# Altium PCB IDC_MCX_Adapter.PCBDOC (part 2 of 2) (continued)
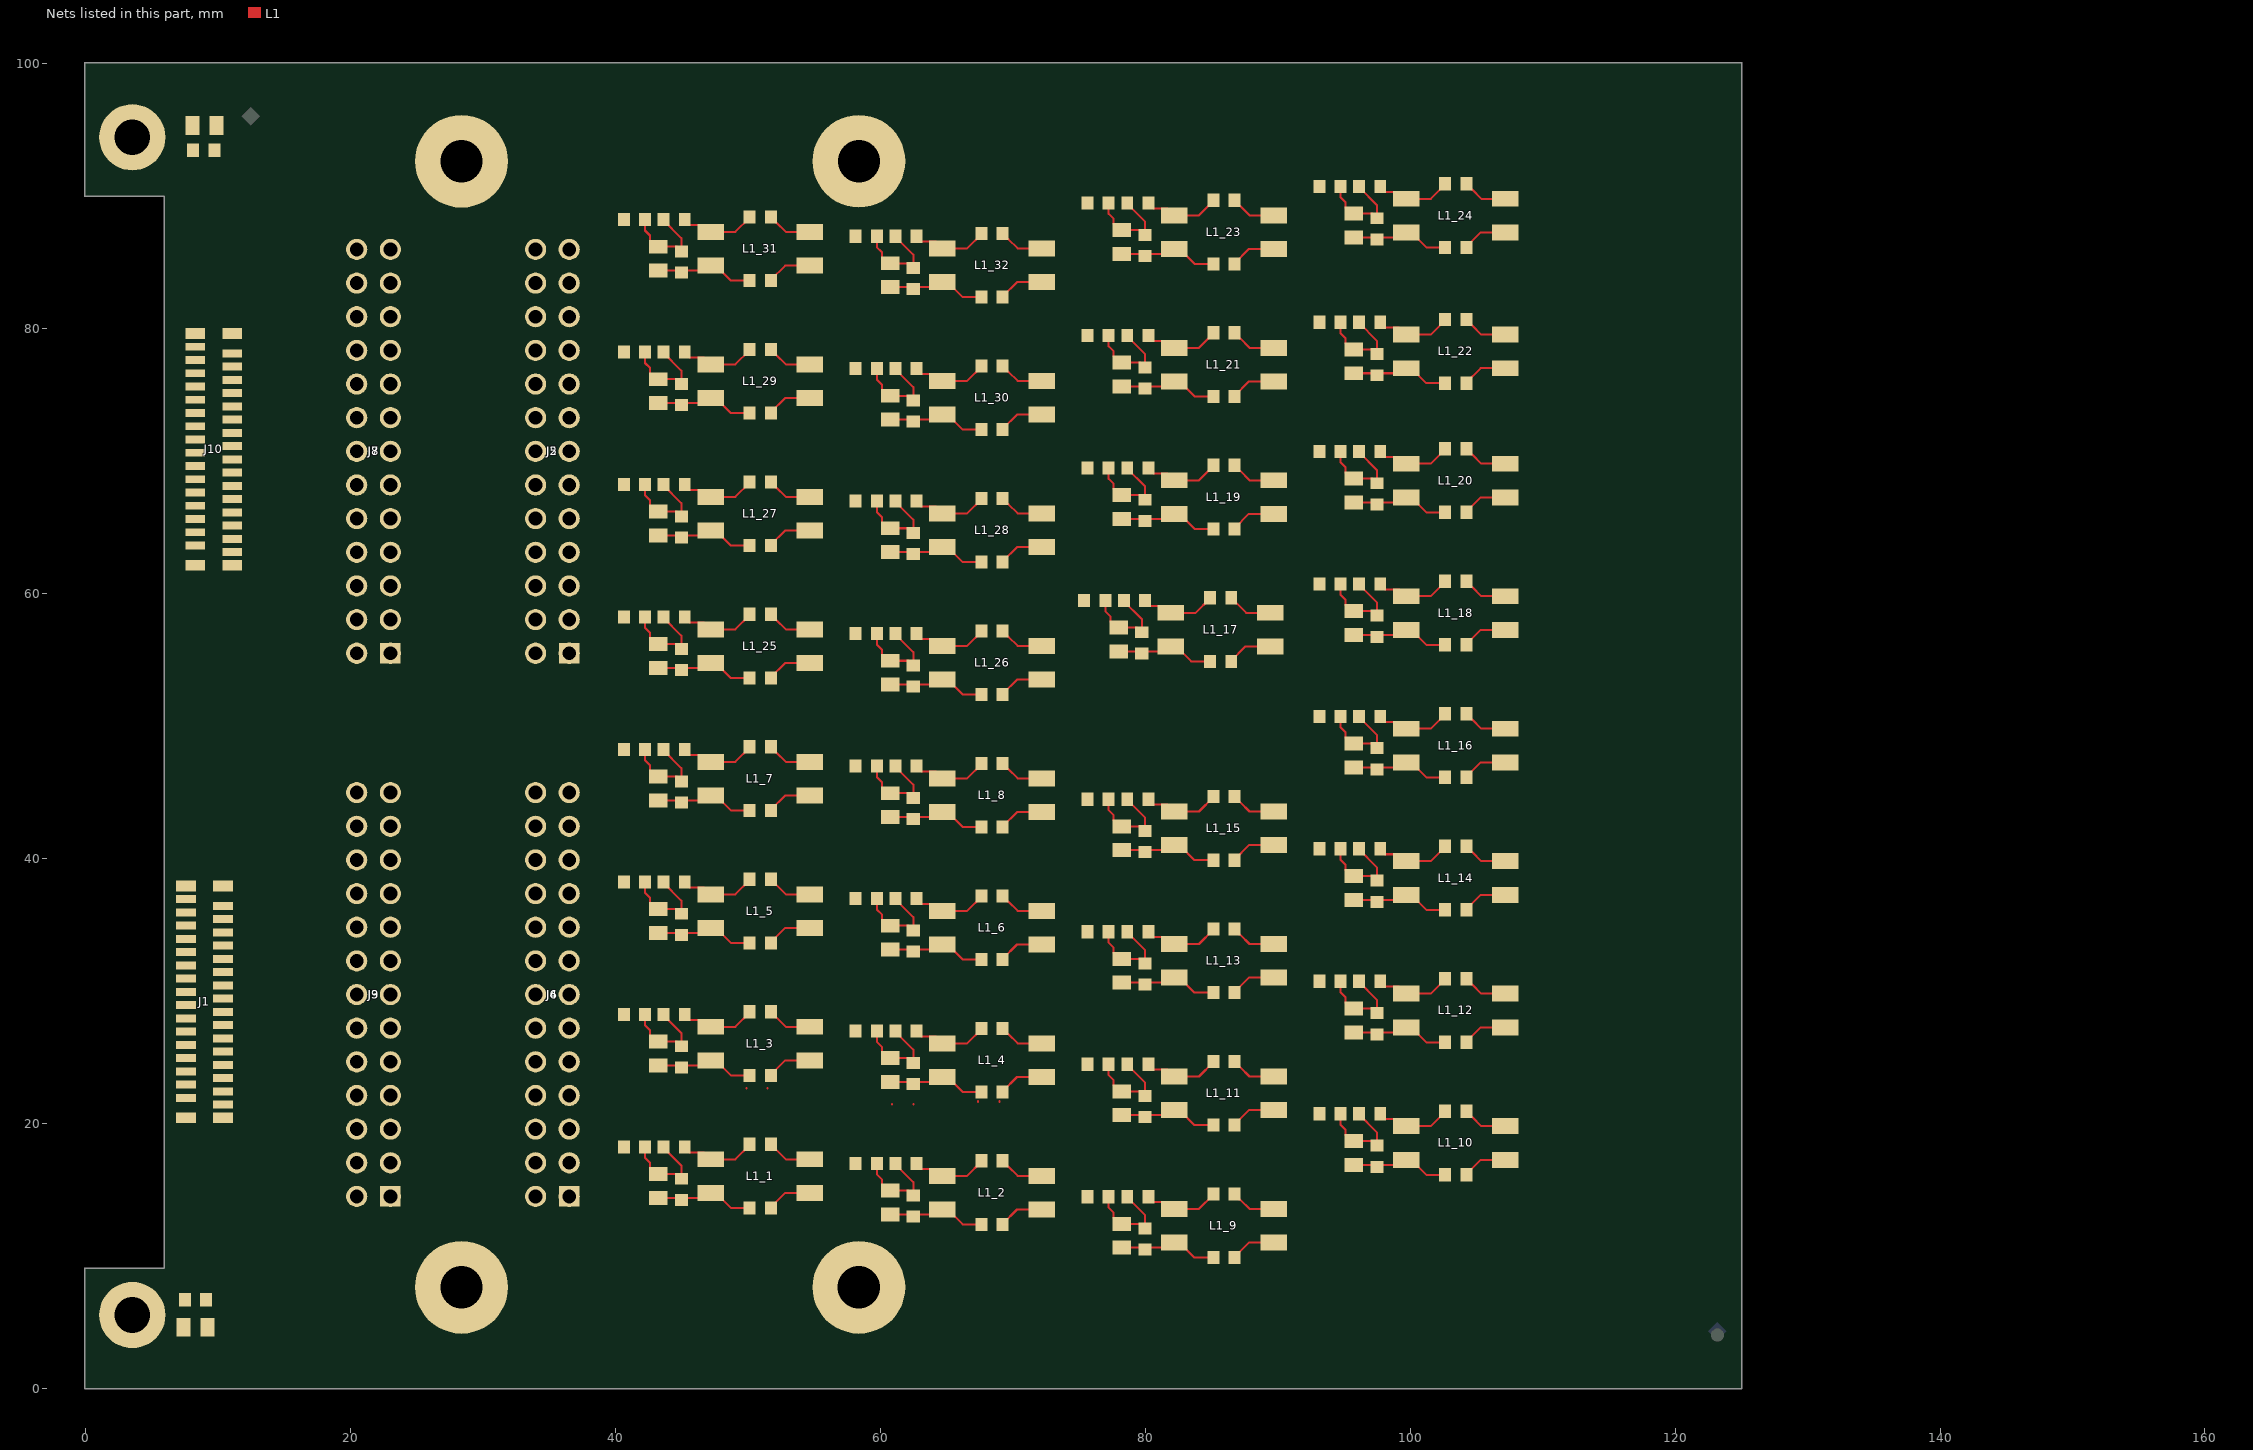
[diagram p3: the nets of this part, all layers, seen from the top]
## Nets (pads, with @x,y where several pads share a name; then routed paths per layer and width w, separated by ;. In a path a pad name is that pad's centre, name@x,y a point inside that pad or via, vN(x,y) a via of type N, cw(c..) or ccw(c..) an arc to the next point about the centre after c; other vN are vias at no path point) (continued)
N13V0_SCSI: J2.26 J3.26 J4.26 J5.26 J6.26 J7.26 J8.26 J9.26
NetB1_1: B1.1 C11.1 R17.2
NetB7_1: B7.1 C15.1 R23.2
NetC1_1_2: C1_1.2 R2_1.1 R3_1.2 R4_1.2 | length 7.4
  L1 w0.152: R3_1.2@42.25,18.2 42.25,17.376 42.626,16.999 42.626,16.599 43.075,16.15 C1_1.2@43.25,16.15 44.65,16.15 R4_1.2@45,15.8 45,16.8 43.65,18.15 R2_1.1@43.65,18.2
NetC1_2_2: C1_2.2 R2_2.1 R3_2.2 R4_2.2 | length 7.4
  L1 w0.152: R3_2.2@59.75,16.95 59.75,16.126 60.126,15.749 60.126,15.349 60.575,14.9 C1_2.2@60.75,14.9 62.15,14.9 R4_2.2@62.5,14.55 62.5,15.55 61.15,16.9 R2_2.1@61.15,16.95
NetC1_3_2: C1_3.2 R2_3.1 R3_3.2 R4_3.2 | length 7.4
  L1 w0.152: R3_3.2@42.25,28.2 42.25,27.376 42.626,26.999 42.626,26.599 43.075,26.15 C1_3.2@43.25,26.15 44.65,26.15 R4_3.2@45,25.8 45,26.8 R2_3.1@43.65,28.15 ; 60.9,21.4 60.9,21.45
NetC1_4_2: C1_4.2 R2_4.1 R3_4.2 R4_4.2 | length 7.4
  L1 w0.152: R3_4.2@59.75,26.95 59.75,26.126 60.126,25.749 60.126,25.349 60.575,24.9 C1_4.2@60.75,24.9 62.15,24.9 R4_4.2@62.5,24.55 62.5,25.55 61.15,26.9 R2_4.1@61.15,26.95
NetC1_5_2: C1_5.2 R2_5.1 R3_5.2 R4_5.2 | length 7.4
  L1 w0.152: R3_5.2@42.25,38.2 42.25,37.376 42.626,36.999 42.626,36.599 43.075,36.15 C1_5.2@43.25,36.15 44.65,36.15 R4_5.2@45,35.8 45,36.8 43.65,38.15 R2_5.1@43.65,38.2
NetC1_6_2: C1_6.2 R2_6.1 R3_6.2 R4_6.2 | length 7.4
  L1 w0.152: R3_6.2@59.75,36.95 59.75,36.126 60.126,35.749 60.126,35.349 60.575,34.9 C1_6.2@60.75,34.9 62.15,34.9 R4_6.2@62.5,34.55 62.5,35.55 61.15,36.9 R2_6.1@61.15,36.95
NetC1_7_2: C1_7.2 R2_7.1 R3_7.2 R4_7.2 | length 7.4
  L1 w0.152: R3_7.2@42.25,48.2 42.25,47.376 42.626,46.999 42.626,46.599 43.075,46.15 C1_7.2@43.25,46.15 44.65,46.15 R4_7.2@45,45.8 45,46.8 43.65,48.15 R2_7.1@43.65,48.2
NetC1_8_2: C1_8.2 R2_8.1 R3_8.2 R4_8.2 | length 7.4
  L1 w0.152: R3_8.2@59.75,46.95 59.75,46.126 60.126,45.749 60.126,45.349 60.575,44.9 C1_8.2@60.75,44.9 62.15,44.9 R4_8.2@62.5,44.55 62.5,45.55 61.15,46.9 R2_8.1@61.15,46.95
NetC1_9_2: C1_9.2 R2_9.1 R3_9.2 R4_9.2 | length 7.4
  L1 w0.152: R3_9.2@77.25,14.45 77.25,13.626 77.626,13.249 77.626,12.849 78.075,12.4 C1_9.2@78.25,12.4 79.65,12.4 R4_9.2@80,12.05 80,13.05 78.65,14.4 R2_9.1@78.65,14.45
NetC1_10_2: C1_10.2 R2_10.1 R3_10.2 R4_10.2 | length 7.4
  L1 w0.152: R3_10.2@94.75,20.7 94.75,19.876 95.126,19.499 95.126,19.099 95.575,18.65 C1_10.2@95.75,18.65 97.15,18.65 R4_10.2@97.5,18.3 97.5,19.3 96.15,20.65 R2_10.1@96.15,20.7
NetC1_11_2: C1_11.2 R2_11.1 R3_11.2 R4_11.2 | length 7.4
  L1 w0.152: R3_11.2@77.25,24.45 77.25,23.626 77.626,23.249 77.626,22.849 78.075,22.4 C1_11.2@78.25,22.4 79.65,22.4 R4_11.2@80,22.05 80,23.05 78.65,24.4 R2_11.1@78.65,24.45
NetC1_12_2: C1_12.2 R2_12.1 R3_12.2 R4_12.2 | length 7.4
  L1 w0.152: R3_12.2@94.75,30.7 94.75,29.876 95.126,29.499 95.126,29.099 95.575,28.65 C1_12.2@95.75,28.65 97.15,28.65 R4_12.2@97.5,28.3 97.5,29.3 96.15,30.65 R2_12.1@96.15,30.7
NetC1_13_2: C1_13.2 R2_13.1 R3_13.2 R4_13.2 | length 7.4
  L1 w0.152: R3_13.2@77.25,34.45 77.25,33.626 77.626,33.249 77.626,32.849 78.075,32.4 C1_13.2@78.25,32.4 79.65,32.4 R4_13.2@80,32.05 80,33.05 78.65,34.4 R2_13.1@78.65,34.45
NetC1_14_2: C1_14.2 R2_14.1 R3_14.2 R4_14.2 | length 7.4
  L1 w0.152: R3_14.2@94.75,40.7 94.75,39.876 95.126,39.499 95.126,39.099 95.575,38.65 C1_14.2@95.75,38.65 97.15,38.65 R4_14.2@97.5,38.3 97.5,39.3 96.15,40.65 R2_14.1@96.15,40.7
NetC1_15_2: C1_15.2 R2_15.1 R3_15.2 R4_15.2 | length 7.4
  L1 w0.152: R3_15.2@77.25,44.45 77.25,43.626 77.626,43.249 77.626,42.849 78.075,42.4 C1_15.2@78.25,42.4 79.65,42.4 R4_15.2@80,42.05 80,43.05 78.65,44.4 R2_15.1@78.65,44.45
NetC1_16_2: C1_16.2 R2_16.1 R3_16.2 R4_16.2 | length 7.4
  L1 w0.152: R3_16.2@94.75,50.7 94.75,49.876 95.126,49.499 95.126,49.099 95.575,48.65 C1_16.2@95.75,48.65 97.15,48.65 R4_16.2@97.5,48.3 97.5,49.3 96.15,50.65 R2_16.1@96.15,50.7
NetC1_17_2: C1_17.2 R2_17.1 R3_17.2 R4_17.2 | length 7.4
  L1 w0.152: R3_17.2@77,59.45 77,58.626 77.376,58.249 77.376,57.849 77.825,57.4 C1_17.2@78,57.4 79.4,57.4 R4_17.2@79.75,57.05 79.75,58.05 78.4,59.4 R2_17.1@78.4,59.45
NetC1_18_2: C1_18.2 R2_18.1 R3_18.2 R4_18.2 | length 7.4
  L1 w0.152: R3_18.2@94.75,60.7 94.75,59.876 95.126,59.499 95.126,59.099 95.575,58.65 C1_18.2@95.75,58.65 97.15,58.65 R4_18.2@97.5,58.3 97.5,59.3 96.15,60.65 R2_18.1@96.15,60.7
NetC1_19_2: C1_19.2 R2_19.1 R3_19.2 R4_19.2 | length 7.4
  L1 w0.152: R3_19.2@77.25,69.45 77.25,68.626 77.626,68.249 77.626,67.849 78.075,67.4 C1_19.2@78.25,67.4 79.65,67.4 R4_19.2@80,67.05 80,68.05 78.65,69.4 R2_19.1@78.65,69.45
NetC1_20_2: C1_20.2 R2_20.1 R3_20.2 R4_20.2 | length 7.4
  L1 w0.152: R3_20.2@94.75,70.7 94.75,69.876 95.126,69.499 95.126,69.099 95.575,68.65 C1_20.2@95.75,68.65 97.15,68.65 R4_20.2@97.5,68.3 97.5,69.3 96.15,70.65 R2_20.1@96.15,70.7
NetC1_21_2: C1_21.2 R2_21.1 R3_21.2 R4_21.2 | length 7.4
  L1 w0.152: R3_21.2@77.25,79.45 77.25,78.626 77.626,78.249 77.626,77.849 78.075,77.4 C1_21.2@78.25,77.4 79.65,77.4 R4_21.2@80,77.05 80,78.05 78.65,79.4 R2_21.1@78.65,79.45
NetC1_22_2: C1_22.2 R2_22.1 R3_22.2 R4_22.2 | length 7.4
  L1 w0.152: R3_22.2@94.75,80.45 94.75,79.626 95.126,79.249 95.126,78.849 95.575,78.4 C1_22.2@95.75,78.4 97.15,78.4 R4_22.2@97.5,78.05 97.5,79.05 96.15,80.4 R2_22.1@96.15,80.45
NetC1_23_2: C1_23.2 R2_23.1 R3_23.2 R4_23.2 | length 7.4
  L1 w0.152: R3_23.2@77.25,89.45 77.25,88.626 77.626,88.249 77.626,87.849 78.075,87.4 C1_23.2@78.25,87.4 79.65,87.4 R4_23.2@80,87.05 80,88.05 78.65,89.4 R2_23.1@78.65,89.45
NetC1_24_2: C1_24.2 R2_24.1 R3_24.2 R4_24.2 | length 7.4
  L1 w0.152: R3_24.2@94.75,90.7 94.75,89.876 95.126,89.499 95.126,89.099 95.575,88.65 C1_24.2@95.75,88.65 97.15,88.65 R4_24.2@97.5,88.3 97.5,89.3 96.15,90.65 R2_24.1@96.15,90.7
NetC1_25_2: C1_25.2 R2_25.1 R3_25.2 R4_25.2 | length 7.4
  L1 w0.152: R3_25.2@42.25,58.2 42.25,57.376 42.626,56.999 42.626,56.599 43.075,56.15 C1_25.2@43.25,56.15 44.65,56.15 R4_25.2@45,55.8 45,56.8 43.65,58.15 R2_25.1@43.65,58.2
NetC1_26_2: C1_26.2 R2_26.1 R3_26.2 R4_26.2 | length 7.4
  L1 w0.152: R3_26.2@59.75,56.95 59.75,56.126 60.126,55.749 60.126,55.349 60.575,54.9 C1_26.2@60.75,54.9 62.15,54.9 R4_26.2@62.5,54.55 62.5,55.55 61.15,56.9 R2_26.1@61.15,56.95
NetC1_27_2: C1_27.2 R2_27.1 R3_27.2 R4_27.2 | length 7.4
  L1 w0.152: R3_27.2@42.25,68.2 42.25,67.376 42.626,66.999 42.626,66.599 43.075,66.15 C1_27.2@43.25,66.15 44.65,66.15 R4_27.2@45,65.8 45,66.8 43.65,68.15 R2_27.1@43.65,68.2
NetC1_28_2: C1_28.2 R2_28.1 R3_28.2 R4_28.2 | length 7.4
  L1 w0.152: R3_28.2@59.75,66.95 59.75,66.126 60.126,65.749 60.126,65.349 60.575,64.9 C1_28.2@60.75,64.9 62.15,64.9 R4_28.2@62.5,64.55 62.5,65.55 61.15,66.9 R2_28.1@61.15,66.95
NetC1_29_2: C1_29.2 R2_29.1 R3_29.2 R4_29.2 | length 7.4
  L1 w0.152: R3_29.2@42.25,78.2 42.25,77.376 42.626,76.999 42.626,76.599 43.075,76.15 C1_29.2@43.25,76.15 44.65,76.15 R4_29.2@45,75.8 45,76.8 43.65,78.15 R2_29.1@43.65,78.2
NetC1_30_2: C1_30.2 R2_30.1 R3_30.2 R4_30.2 | length 7.4
  L1 w0.152: R3_30.2@59.75,76.95 59.75,76.126 60.126,75.749 60.126,75.349 60.575,74.9 C1_30.2@60.75,74.9 62.15,74.9 R4_30.2@62.5,74.55 62.5,75.55 61.15,76.9 R2_30.1@61.15,76.95
NetC1_31_2: C1_31.2 R2_31.1 R3_31.2 R4_31.2 | length 7.4
  L1 w0.152: R3_31.2@42.25,88.2 42.25,87.376 42.626,86.999 42.626,86.599 43.075,86.15 C1_31.2@43.25,86.15 44.65,86.15 R4_31.2@45,85.8 45,86.8 43.65,88.15 R2_31.1@43.65,88.2
NetC1_32_2: C1_32.2 R2_32.1 R3_32.2 R4_32.2 | length 7.4
  L1 w0.152: R3_32.2@59.75,86.95 59.75,86.126 60.126,85.749 60.126,85.349 60.575,84.9 C1_32.2@60.75,84.9 62.15,84.9 R4_32.2@62.5,84.55 62.5,85.55 61.15,86.9 R2_32.1@61.15,86.95
NetL1_1_1: L1_1.1 R1_1.1 R2_1.2 | length 5.8
  L1 w0.152: R2_1.2@45.25,18.2 45.25,18.168 45.624,17.794 46.676,17.794 L1_1.1@47.2,17.27 49.07,17.27 R1_1.1@50.15,18.35 ; 49.9,22.6 49.9,22.65
NetL1_2_1: L1_2.1 R1_2.1 R2_2.2 | length 5.8
  L1 w0.152: R2_2.2@62.75,16.95 62.75,16.918 63.124,16.544 64.176,16.544 L1_2.1@64.7,16.02 66.57,16.02 67.65,17.1 R1_2.1@67.65,17.15
NetL1_3_1: L1_3.1 R1_3.1 R2_3.2 | length 5.8
  L1 w0.152: R2_3.2@45.25,28.168 45.624,27.794 46.676,27.794 L1_3.1@47.2,27.27 49.07,27.27 R1_3.1@50.15,28.35 ; 62.5,21.418 62.5,21.45 ; 67.4,21.6 67.4,21.65
NetL1_4_1: L1_4.1 R1_4.1 R2_4.2 | length 5.8
  L1 w0.152: R2_4.2@62.75,26.95 62.75,26.918 63.124,26.544 64.176,26.544 L1_4.1@64.7,26.02 66.57,26.02 67.65,27.1 R1_4.1@67.65,27.15
NetL1_5_1: L1_5.1 R1_5.1 R2_5.2 | length 5.8
  L1 w0.152: R2_5.2@45.25,38.2 45.25,38.168 45.624,37.794 46.676,37.794 L1_5.1@47.2,37.27 49.07,37.27 50.15,38.35 R1_5.1@50.15,38.4
NetL1_6_1: L1_6.1 R1_6.1 R2_6.2 | length 5.8
  L1 w0.152: R2_6.2@62.75,36.95 62.75,36.918 63.124,36.544 64.176,36.544 L1_6.1@64.7,36.02 66.57,36.02 67.65,37.1 R1_6.1@67.65,37.15
NetL1_7_1: L1_7.1 R1_7.1 R2_7.2 | length 5.8
  L1 w0.152: R2_7.2@45.25,48.2 45.25,48.168 45.624,47.794 46.676,47.794 L1_7.1@47.2,47.27 49.07,47.27 50.15,48.35 R1_7.1@50.15,48.4
NetL1_8_1: L1_8.1 R1_8.1 R2_8.2 | length 5.8
  L1 w0.152: R2_8.2@62.75,46.95 62.75,46.918 63.124,46.544 64.176,46.544 L1_8.1@64.7,46.02 66.57,46.02 67.65,47.1 R1_8.1@67.65,47.15
NetL1_9_1: L1_9.1 R1_9.1 R2_9.2 | length 5.8
  L1 w0.152: R2_9.2@80.25,14.45 80.25,14.418 80.624,14.044 81.676,14.044 L1_9.1@82.2,13.52 84.07,13.52 85.15,14.6 R1_9.1@85.15,14.65
NetL1_10_1: L1_10.1 R1_10.1 R2_10.2 | length 5.8
  L1 w0.152: R2_10.2@97.75,20.7 97.75,20.668 98.124,20.294 99.176,20.294 L1_10.1@99.7,19.77 101.57,19.77 102.65,20.85 R1_10.1@102.65,20.9
NetL1_11_1: L1_11.1 R1_11.1 R2_11.2 | length 5.8
  L1 w0.152: R2_11.2@80.25,24.45 80.25,24.418 80.624,24.044 81.676,24.044 L1_11.1@82.2,23.52 84.07,23.52 85.15,24.6 R1_11.1@85.15,24.65
NetL1_12_1: L1_12.1 R1_12.1 R2_12.2 | length 5.8
  L1 w0.152: R2_12.2@97.75,30.7 97.75,30.668 98.124,30.294 99.176,30.294 L1_12.1@99.7,29.77 101.57,29.77 102.65,30.85 R1_12.1@102.65,30.9
NetL1_13_1: L1_13.1 R1_13.1 R2_13.2 | length 5.8
  L1 w0.152: R2_13.2@80.25,34.45 80.25,34.418 80.624,34.044 81.676,34.044 L1_13.1@82.2,33.52 84.07,33.52 85.15,34.6 R1_13.1@85.15,34.65
NetL1_14_1: L1_14.1 R1_14.1 R2_14.2 | length 5.8
  L1 w0.152: R2_14.2@97.75,40.7 97.75,40.668 98.124,40.294 99.176,40.294 L1_14.1@99.7,39.77 101.57,39.77 102.65,40.85 R1_14.1@102.65,40.9
NetL1_15_1: L1_15.1 R1_15.1 R2_15.2 | length 5.8
  L1 w0.152: R2_15.2@80.25,44.45 80.25,44.418 80.624,44.044 81.676,44.044 L1_15.1@82.2,43.52 84.07,43.52 85.15,44.6 R1_15.1@85.15,44.65
NetL1_16_1: L1_16.1 R1_16.1 R2_16.2 | length 5.8
  L1 w0.152: R2_16.2@97.75,50.7 97.75,50.668 98.124,50.294 99.176,50.294 L1_16.1@99.7,49.77 101.57,49.77 102.65,50.85 R1_16.1@102.65,50.9
NetL1_17_1: L1_17.1 R1_17.1 R2_17.2 | length 5.8
  L1 w0.152: R2_17.2@80,59.45 80,59.418 80.374,59.044 81.426,59.044 L1_17.1@81.95,58.52 83.82,58.52 84.9,59.6 R1_17.1@84.9,59.65
NetL1_18_1: L1_18.1 R1_18.1 R2_18.2 | length 5.8
  L1 w0.152: R2_18.2@97.75,60.7 97.75,60.668 98.124,60.294 99.176,60.294 L1_18.1@99.7,59.77 101.57,59.77 102.65,60.85 R1_18.1@102.65,60.9
NetL1_19_1: L1_19.1 R1_19.1 R2_19.2 | length 5.8
  L1 w0.152: R2_19.2@80.25,69.45 80.25,69.418 80.624,69.044 81.676,69.044 L1_19.1@82.2,68.52 84.07,68.52 85.15,69.6 R1_19.1@85.15,69.65
NetL1_20_1: L1_20.1 R1_20.1 R2_20.2 | length 5.8
  L1 w0.152: R2_20.2@97.75,70.7 97.75,70.668 98.124,70.294 99.176,70.294 L1_20.1@99.7,69.77 101.57,69.77 102.65,70.85 R1_20.1@102.65,70.9
NetL1_21_1: L1_21.1 R1_21.1 R2_21.2 | length 5.8
  L1 w0.152: R2_21.2@80.25,79.45 80.25,79.418 80.624,79.044 81.676,79.044 L1_21.1@82.2,78.52 84.07,78.52 85.15,79.6 R1_21.1@85.15,79.65
NetL1_22_1: L1_22.1 R1_22.1 R2_22.2 | length 5.8
  L1 w0.152: R2_22.2@97.75,80.45 97.75,80.418 98.124,80.044 99.176,80.044 L1_22.1@99.7,79.52 101.57,79.52 102.65,80.6 R1_22.1@102.65,80.65
NetL1_23_1: L1_23.1 R1_23.1 R2_23.2 | length 5.8
  L1 w0.152: R2_23.2@80.25,89.45 80.25,89.418 80.624,89.044 81.676,89.044 L1_23.1@82.2,88.52 84.07,88.52 85.15,89.6 R1_23.1@85.15,89.65
NetL1_24_1: L1_24.1 R1_24.1 R2_24.2 | length 5.8
  L1 w0.152: R2_24.2@97.75,90.7 97.75,90.668 98.124,90.294 99.176,90.294 L1_24.1@99.7,89.77 101.57,89.77 102.65,90.85 R1_24.1@102.65,90.9
NetL1_25_1: L1_25.1 R1_25.1 R2_25.2 | length 5.8
  L1 w0.152: R2_25.2@45.25,58.2 45.25,58.168 45.624,57.794 46.676,57.794 L1_25.1@47.2,57.27 49.07,57.27 50.15,58.35 R1_25.1@50.15,58.4
NetL1_26_1: L1_26.1 R1_26.1 R2_26.2 | length 5.8
  L1 w0.152: R2_26.2@62.75,56.95 62.75,56.918 63.124,56.544 64.176,56.544 L1_26.1@64.7,56.02 66.57,56.02 67.65,57.1 R1_26.1@67.65,57.15
NetL1_27_1: L1_27.1 R1_27.1 R2_27.2 | length 5.8
  L1 w0.152: R2_27.2@45.25,68.2 45.25,68.168 45.624,67.794 46.676,67.794 L1_27.1@47.2,67.27 49.07,67.27 50.15,68.35 R1_27.1@50.15,68.4
NetL1_28_1: L1_28.1 R1_28.1 R2_28.2 | length 5.8
  L1 w0.152: R2_28.2@62.75,66.95 62.75,66.918 63.124,66.544 64.176,66.544 L1_28.1@64.7,66.02 66.57,66.02 67.65,67.1 R1_28.1@67.65,67.15
NetL1_29_1: L1_29.1 R1_29.1 R2_29.2 | length 5.8
  L1 w0.152: R2_29.2@45.25,78.2 45.25,78.168 45.624,77.794 46.676,77.794 L1_29.1@47.2,77.27 49.07,77.27 50.15,78.35 R1_29.1@50.15,78.4
NetL1_30_1: L1_30.1 R1_30.1 R2_30.2 | length 5.8
  L1 w0.152: R2_30.2@62.75,76.95 62.75,76.918 63.124,76.544 64.176,76.544 L1_30.1@64.7,76.02 66.57,76.02 67.65,77.1 R1_30.1@67.65,77.15
NetL1_31_1: L1_31.1 R1_31.1 R2_31.2 | length 5.8
  L1 w0.152: R2_31.2@45.25,88.2 45.25,88.168 45.624,87.794 46.676,87.794 L1_31.1@47.2,87.27 49.07,87.27 50.15,88.35 R1_31.1@50.15,88.4
NetL1_32_1: L1_32.1 R1_32.1 R2_32.2 | length 5.8
  L1 w0.152: R2_32.2@62.75,86.95 62.75,86.918 63.124,86.544 64.176,86.544 L1_32.1@64.7,86.02 66.57,86.02 67.65,87.1 R1_32.1@67.65,87.15
OUT_N1: C1_1.1 J1.2 L1_1.2 R4_1.1 R5_1.1 | length 7.5
  L1 w0.152: C1_1.1@43.25,14.35 46.82,14.35 L1_1.2@47.2,14.73 47.6,14.73 48.73,13.6 R5_1.1@50.15,13.6
OUT_N2: C1_2.1 J1.4 L1_2.2 R4_2.1 R5_2.1 | length 7.5
  L1 w0.152: C1_2.1@60.75,13.1 64.32,13.1 L1_2.2@64.7,13.48 65.1,13.48 66.23,12.35 R5_2.1@67.65,12.35
OUT_N3: C1_3.1 J1.6 L1_3.2 R4_3.1 R5_3.1 | length 7.5
  L1 w0.152: C1_3.1@43.25,24.35 46.82,24.35 L1_3.2@47.2,24.73 47.6,24.73 48.73,23.6 R5_3.1@50.15,23.6
OUT_N4: C1_4.1 J1.8 L1_4.2 R4_4.1 R5_4.1 | length 7.5
  L1 w0.152: C1_4.1@60.75,23.1 64.32,23.1 L1_4.2@64.7,23.48 65.1,23.48 66.23,22.35 R5_4.1@67.65,22.35
OUT_N5: C1_5.1 J1.10 L1_5.2 R4_5.1 R5_5.1 | length 7.5
  L1 w0.152: C1_5.1@43.25,34.35 46.82,34.35 L1_5.2@47.2,34.73 47.6,34.73 48.73,33.6 R5_5.1@50.15,33.6
OUT_N6: C1_6.1 J1.12 L1_6.2 R4_6.1 R5_6.1 | length 7.5
  L1 w0.152: C1_6.1@60.75,33.1 64.32,33.1 L1_6.2@64.7,33.48 65.1,33.48 66.23,32.35 R5_6.1@67.65,32.35
OUT_N7: C1_7.1 J1.14 L1_7.2 R4_7.1 R5_7.1 | length 7.5
  L1 w0.152: C1_7.1@43.25,44.35 46.82,44.35 L1_7.2@47.2,44.73 47.6,44.73 48.73,43.6 R5_7.1@50.15,43.6
OUT_N8: C1_8.1 J1.16 L1_8.2 R4_8.1 R5_8.1 | length 7.5
  L1 w0.152: C1_8.1@60.75,43.1 64.32,43.1 L1_8.2@64.7,43.48 65.1,43.48 66.23,42.35 R5_8.1@67.65,42.35
OUT_N9: C1_9.1 J1.18 L1_9.2 R4_9.1 R5_9.1 | length 7.5
  L1 w0.152: C1_9.1@78.25,10.6 81.82,10.6 L1_9.2@82.2,10.98 82.6,10.98 83.73,9.85 R5_9.1@85.15,9.85
OUT_N10: C1_10.1 J1.20 L1_10.2 R4_10.1 R5_10.1 | length 7.5
  L1 w0.152: C1_10.1@95.75,16.85 99.32,16.85 L1_10.2@99.7,17.23 100.1,17.23 101.23,16.1 R5_10.1@102.65,16.1
OUT_N11: C1_11.1 J1.22 L1_11.2 R4_11.1 R5_11.1 | length 7.5
  L1 w0.152: C1_11.1@78.25,20.6 81.82,20.6 L1_11.2@82.2,20.98 82.6,20.98 83.73,19.85 R5_11.1@85.15,19.85
OUT_N12: C1_12.1 J1.24 L1_12.2 R4_12.1 R5_12.1 | length 7.5
  L1 w0.152: C1_12.1@95.75,26.85 99.32,26.85 L1_12.2@99.7,27.23 100.1,27.23 101.23,26.1 R5_12.1@102.65,26.1
OUT_N13: C1_13.1 J1.26 L1_13.2 R4_13.1 R5_13.1 | length 7.5
  L1 w0.152: C1_13.1@78.25,30.6 81.82,30.6 L1_13.2@82.2,30.98 82.6,30.98 83.73,29.85 R5_13.1@85.15,29.85
OUT_N14: C1_14.1 J1.28 L1_14.2 R4_14.1 R5_14.1 | length 7.5
  L1 w0.152: C1_14.1@95.75,36.85 99.32,36.85 L1_14.2@99.7,37.23 100.1,37.23 101.23,36.1 R5_14.1@102.65,36.1
OUT_N15: C1_15.1 J1.30 L1_15.2 R4_15.1 R5_15.1 | length 7.5
  L1 w0.152: C1_15.1@78.25,40.6 81.82,40.6 L1_15.2@82.2,40.98 82.6,40.98 83.73,39.85 R5_15.1@85.15,39.85
OUT_N16: C1_16.1 J1.32 L1_16.2 R4_16.1 R5_16.1 | length 7.5
  L1 w0.152: C1_16.1@95.75,46.85 99.32,46.85 L1_16.2@99.7,47.23 100.1,47.23 101.23,46.1 R5_16.1@102.65,46.1
OUT_N17: C1_17.1 J10.2 L1_17.2 R4_17.1 R5_17.1 | length 7.5
  L1 w0.152: C1_17.1@78,55.6 81.57,55.6 L1_17.2@81.95,55.98 82.35,55.98 83.48,54.85 R5_17.1@84.9,54.85
OUT_N18: C1_18.1 J10.4 L1_18.2 R4_18.1 R5_18.1 | length 7.5
  L1 w0.152: C1_18.1@95.75,56.85 99.32,56.85 L1_18.2@99.7,57.23 100.1,57.23 101.23,56.1 R5_18.1@102.65,56.1
OUT_N19: C1_19.1 J10.6 L1_19.2 R4_19.1 R5_19.1 | length 7.5
  L1 w0.152: C1_19.1@78.25,65.6 81.82,65.6 L1_19.2@82.2,65.98 82.6,65.98 83.73,64.85 R5_19.1@85.15,64.85
OUT_N20: C1_20.1 J10.8 L1_20.2 R4_20.1 R5_20.1 | length 7.5
  L1 w0.152: C1_20.1@95.75,66.85 99.32,66.85 L1_20.2@99.7,67.23 100.1,67.23 101.23,66.1 R5_20.1@102.65,66.1
OUT_N21: C1_21.1 J10.10 L1_21.2 R4_21.1 R5_21.1 | length 7.5
  L1 w0.152: C1_21.1@78.25,75.6 81.82,75.6 L1_21.2@82.2,75.98 82.6,75.98 83.73,74.85 R5_21.1@85.15,74.85
OUT_N22: C1_22.1 J10.12 L1_22.2 R4_22.1 R5_22.1 | length 7.5
  L1 w0.152: C1_22.1@95.75,76.6 99.32,76.6 L1_22.2@99.7,76.98 100.1,76.98 101.23,75.85 R5_22.1@102.65,75.85
OUT_N23: C1_23.1 J10.14 L1_23.2 R4_23.1 R5_23.1 | length 7.5
  L1 w0.152: C1_23.1@78.25,85.6 81.82,85.6 L1_23.2@82.2,85.98 82.6,85.98 83.73,84.85 R5_23.1@85.15,84.85
OUT_N24: C1_24.1 J10.16 L1_24.2 R4_24.1 R5_24.1 | length 7.5
  L1 w0.152: C1_24.1@95.75,86.85 99.32,86.85 L1_24.2@99.7,87.23 100.1,87.23 101.23,86.1 R5_24.1@102.65,86.1
OUT_N25: C1_25.1 J10.18 L1_25.2 R4_25.1 R5_25.1 | length 7.5
  L1 w0.152: C1_25.1@43.25,54.35 46.82,54.35 L1_25.2@47.2,54.73 47.6,54.73 48.73,53.6 R5_25.1@50.15,53.6
OUT_N26: C1_26.1 J10.20 L1_26.2 R4_26.1 R5_26.1 | length 7.5
  L1 w0.152: C1_26.1@60.75,53.1 64.32,53.1 L1_26.2@64.7,53.48 65.1,53.48 66.23,52.35 R5_26.1@67.65,52.35
OUT_N27: C1_27.1 J10.22 L1_27.2 R4_27.1 R5_27.1 | length 7.5
  L1 w0.152: C1_27.1@43.25,64.35 46.82,64.35 L1_27.2@47.2,64.73 47.6,64.73 48.73,63.6 R5_27.1@50.15,63.6
OUT_N28: C1_28.1 J10.24 L1_28.2 R4_28.1 R5_28.1 | length 7.5
  L1 w0.152: C1_28.1@60.75,63.1 64.32,63.1 L1_28.2@64.7,63.48 65.1,63.48 66.23,62.35 R5_28.1@67.65,62.35
OUT_N29: C1_29.1 J10.26 L1_29.2 R4_29.1 R5_29.1 | length 7.5
  L1 w0.152: C1_29.1@43.25,74.35 46.82,74.35 L1_29.2@47.2,74.73 47.6,74.73 48.73,73.6 R5_29.1@50.15,73.6
OUT_N30: C1_30.1 J10.28 L1_30.2 R4_30.1 R5_30.1 | length 7.5
  L1 w0.152: C1_30.1@60.75,73.1 64.32,73.1 L1_30.2@64.7,73.48 65.1,73.48 66.23,72.35 R5_30.1@67.65,72.35
OUT_N31: C1_31.1 J10.30 L1_31.2 R4_31.1 R5_31.1 | length 7.5
  L1 w0.152: C1_31.1@43.25,84.35 46.82,84.35 L1_31.2@47.2,84.73 47.6,84.73 48.73,83.6 R5_31.1@50.15,83.6
OUT_N32: C1_32.1 J10.32 L1_32.2 R4_32.1 R5_32.1 | length 7.5
  L1 w0.152: C1_32.1@60.75,83.1 64.32,83.1 L1_32.2@64.7,83.48 65.1,83.48 66.23,82.35 R5_32.1@67.65,82.35
OUT_P1: J1.1 R3_1.1
OUT_P2: J1.3 R3_2.1
OUT_P3: J1.5 R3_3.1
OUT_P4: J1.7 R3_4.1
OUT_P5: J1.9 R3_5.1
OUT_P6: J1.11 R3_6.1
OUT_P7: J1.13 R3_7.1
OUT_P8: J1.15 R3_8.1
OUT_P9: J1.17 R3_9.1
OUT_P10: J1.19 R3_10.1
OUT_P11: J1.21 R3_11.1
OUT_P12: J1.23 R3_12.1
OUT_P13: J1.25 R3_13.1
OUT_P14: J1.27 R3_14.1
OUT_P15: J1.29 R3_15.1
OUT_P16: J1.31 R3_16.1
OUT_P17: J10.1 R3_17.1
OUT_P18: J10.3 R3_18.1
OUT_P19: J10.5 R3_19.1
OUT_P20: J10.7 R3_20.1
OUT_P21: J10.9 R3_21.1
OUT_P22: J10.11 R3_22.1
OUT_P23: J10.13 R3_23.1
OUT_P24: J10.15 R3_24.1
OUT_P25: J10.17 R3_25.1
OUT_P26: J10.19 R3_26.1
OUT_P27: J10.21 R3_27.1
OUT_P28: J10.23 R3_28.1
OUT_P29: J10.25 R3_29.1
OUT_P30: J10.27 R3_30.1
OUT_P31: J10.29 R3_31.1
OUT_P32: J10.31 R3_32.1
P13V0_SCSI: J2.25 J3.25 J4.25 J5.25 J6.25 J7.25 J8.25 J9.25
pads on no net: FTG1.FTG2 FTG2.1 FTG3.1 FTG4.1
copper on no net: | length 124.7
  L4 w0.127: 0.292,97.968 125,97.993

## Polygon pours and split planes (outlines as drawn)
GND on L4 "NONET_L-01_P-001" (solid, remove dead copper, shelved, pour order 120): -0.025,97.968 160.045,97.968 160.045,-0.025 159.944,-0.127 159.817,0 -0.127,0
GND on L4 "NONET_L-01_P-001" (solid, remove dead copper, shelved, pour order 70): 142.443,71.639 154.099,71.639 154.613,72.153 154.601,72.165 154.601,74.582 153.374,75.809 144.423,75.809 142.443,73.829
no net on L4 "NONET_L-01_P-001" (solid, remove dead copper, shelved, pour order 68): 155.472,71.315 156.31,72.153 158.347,72.153 159,71.5 159,70 157.5,68.5 142.029,68.5 141.529,69 141.529,70.307 142.537,71.315
N13V0_SCSI on L4 "L3-No Net" (solid, remove dead copper, shelved, pour order 38): 21.5,87 21.5,85 21,84.5 20.5,84 19.5,84 19.5,82.5 19.5,55 19,54.5 18.5,54 17.5,54 11.5,54 11.5,55.5 18,55.5 18,86 19,87
GND on L1 "NONET_L-01_P-001" (solid, remove dead copper, shelved, pour order 110): 1.124,101.312 1.327,101.109 161.499,101.109 161.499,1.134 161.372,1.007 161.271,1.109 1.327,1.109
no net on L1 "NONET_L-01_P-001" (solid, remove dead copper, shelved, pour order 108): 68.529,7.036 70.333,7.036 71.806,5.563 81.331,5.563 82.067,4.826 82.067,3.734 81.28,2.946 68.783,2.946 68.529,3.2
no net on L1 "NONET_L-01_P-001" (solid, remove dead copper, shelved, pour order 104): 98.425,96.622 99.009,97.206 111.125,97.206 111.785,96.545 111.785,94.132 111.303,93.65 104.724,93.65 102.997,95.377 98.425,95.377
no net on L1 "NONET_L-01_P-001" (solid, remove dead copper, shelved, pour order 102): 65.354,92.329 66.065,91.618 70.663,91.618 71.12,92.075 77.064,92.075 78.054,93.066 78.054,96.622 77.267,97.409 65.964,97.409 65.354,96.799
no net on L1 "NONET_L-01_P-001" (solid, remove dead copper, shelved, pour order 100): 116.28,91.283 124.479,91.283 126,92.805 126,96 124.5,97.5 116.28,97.5
no net on L1 "NONET_L-01_P-001" (solid, remove dead copper, shelved, pour order 60): 125.721,6.383 129.779,6.383 130.404,7.008 130.404,9.363 130.262,9.505 127.936,9.505 127.711,9.73 127.711,11.19 127.296,11.606 125.081,11.606 124.298,10.823 124.298,7.026 124.993,6.331
no net on L1 "NONET_L-01_P-001" (solid, remove dead copper, shelved, pour order 66): 138.913,64.332 147.581,73 157.756,73 159,71.756 159,69.119 156.881,67 147.247,67 144.107,63.86 144.107,59.694 142.827,58.414 139.403,58.414 138.913,58.905
no net on L1 "NONET_L-01_P-001" (solid, remove dead copper, shelved, pour order 58): 112.636,5.822 115.169,5.822 115.169,3.318 113.014,3.318 112.636,3.696
no net on L1 "NONET_L-01_P-001" (solid, remove dead copper, shelved, pour order 56): 116.071,7.436 116.071,3.572 118.125,3.572 118.696,4.143 118.696,6.918 118.114,7.5 116.162,7.5
no net on L1 "NONET_L-01_P-001" (solid, remove dead copper, shelved, pour order 50): 121.11,72.256 136.632,72.256 147.198,82.822 147.198,93.165 147.647,93.614 152.496,93.614 153.473,92.637 153.473,80.34 141.752,68.619 120.702,68.619 120.294,69.027 120.294,71.731 120.828,72.264 121.084,72.264
no net on L1 "NONET_L-01_P-001" (solid, remove dead copper, shelved, pour order 48): 136.1,93.614 136.1,89.017 134.791,87.708 121.11,87.708 120.294,86.892 120.294,84.597 121.453,83.438 137.933,83.438 141.827,87.332 141.827,92.981 140.761,94.047 136.532,94.047
no net on L2 "NONET_L-01_P-001" (solid, remove dead copper, shelved, pour order 118): 42.24,97.485 42.926,98.171 118.923,98.171 121.514,95.58 121.514,93.243 120.701,92.431 117.297,92.431 113.563,96.164 86.639,96.164 85.7,95.225 45.974,95.225 44.983,94.234 42.24,94.234
GND on L2 "NONET_L-01_P-001" (solid, remove dead copper, shelved, pour order 92): 0,0 159.817,0 160.067,0.25 160.045,0.272 160.045,10.82 127.832,10.82 127.194,10.182 115.858,10.182 114.435,11.605 114.435,21.675 116.702,23.943 118.357,23.943 123.511,29.097 123.511,51.523 131.727,59.738 159.263,59.738 159.514,59.487 159.514,98.986 158.45,100.05 0.05,100.05 0,100
GND on L2 "NONET_L-01_P-001" (solid, remove dead copper, shelved, pour order 40): 159.641,59.309 131.674,59.309 123.749,51.384 123.749,28.221 120.75,25.222 118.581,25.222 113.059,19.701 113.059,13.712 116.277,10.495 127.081,10.495 127.787,11.201 160.067,11.201

## Keep-outs
L1:
  lines w0.1: 1,8.103 1.996,8.103 ccw(c1.996,8.61) 2.355,8.251 cw(c2.357,8.249) 2.357,8.252 4.09,8.252 cw(c4.09,6.025) 5.665,7.6 6.187,7.078 cw(c5.64,6.531) 6.413,6.531 ; 1,91.923 2,91.923 2.423,91.5 5.389,91.5 ; 6.096,3.023 6.096,3.614 6.413,3.931 6.413,4.581
  lines w0.254: -0.032,2.623 110.316,2.623 ; 0.051,97.993 159.791,97.993
L4:
  lines w0.1: 1,8.103 2.35,8.103 2.538,8.29 4.975,8.29 6.413,6.852 6.413,4.256 6.096,3.939 6.096,3.023 ; 1,91.923 2,91.923 2.423,91.5 5.32,91.5
  lines w0.254: -0.025,2.489 124.9,2.489
KeepOutLayer:
  lines w0.203: 159.942,0.125 159.942,99.692 ; 160.021,0.026 0,-0.051 0,99.55 0.45,100 159.568,100 160.184,99.384

## Silkscreen, mask and mechanical layers (free items; w line width, h text height)
Top Overlay:
  drawing of 1239 lines, arcs and shapes, not listed
  text "DAC OUT 24-31" at 17.018,55.626 h2.03 r90
  text "DAC OUT 16-23" at 30.2,55.5 h2.03 r90
  text "WUT ISE 2021 &" at 123.75,53.25 h1.02 r90
  text "IDC to MCX adapter" at 121.5,42 h2.03 r90
  text "DAC OUT 8-15" at 30.289,20.925 h2.03 r90
  text "DAC OUT 0-7" at 17.018,15.748 h2.03 r90
Mechanical1:
  lines w0.1: 20,0 25,0 70.25,0 75,0 ; 92.809,0 75,0 ; 95,0 115.25,0 ; 0,0 0,9 6,9 6,90 0,90 0,100 125,100 125,0 120,0 115.25,0 ; 0,0 20.25,0 0,0 ; 75,0 115.25,0
Mechanical4:
  lines w0.508: -2.544,-15.25 -2.544,114.162
  lines w1: 41.263,5.031 41.263,95.031 116.263,95.031 116.263,5.031 41.263,5.031 ; 122.263,55.031 157.263,55.031 157.263,95.031 122.263,95.031 122.263,55.031
Mechanical8:
  lines w0.2: 92.741,21.359 102.737,21.359 ; 207.359,90.959 217.101,90.959 ; 207.396,77.663 207.396,90.959 207.396,102.69

## Text inside footprints (layer, text, board x,y; h text height)
J3: Top Overlay "26" at 19.095,44.311 h1.02 r90; Mechanical14 "26" at 19.095,44.311 h1.02 r90
J4: Top Overlay "26" at 32.595,44.311 h1.02 r90; Mechanical14 "26" at 32.595,44.311 h1.02 r90
J5: Top Overlay "26" at 32.595,85.311 h1.02 r90; Mechanical14 "26" at 32.595,85.311 h1.02 r90
J7: Top Overlay "26" at 19.095,85.311 h1.02 r90; Mechanical14 "26" at 19.095,85.311 h1.02 r90